# KiCad board UNO-128DA28.kicad_pcb
title: Produino UNO 4; date: 2023-08-20; rev: 1.0; note: AVR128DA28 Uno sized board.
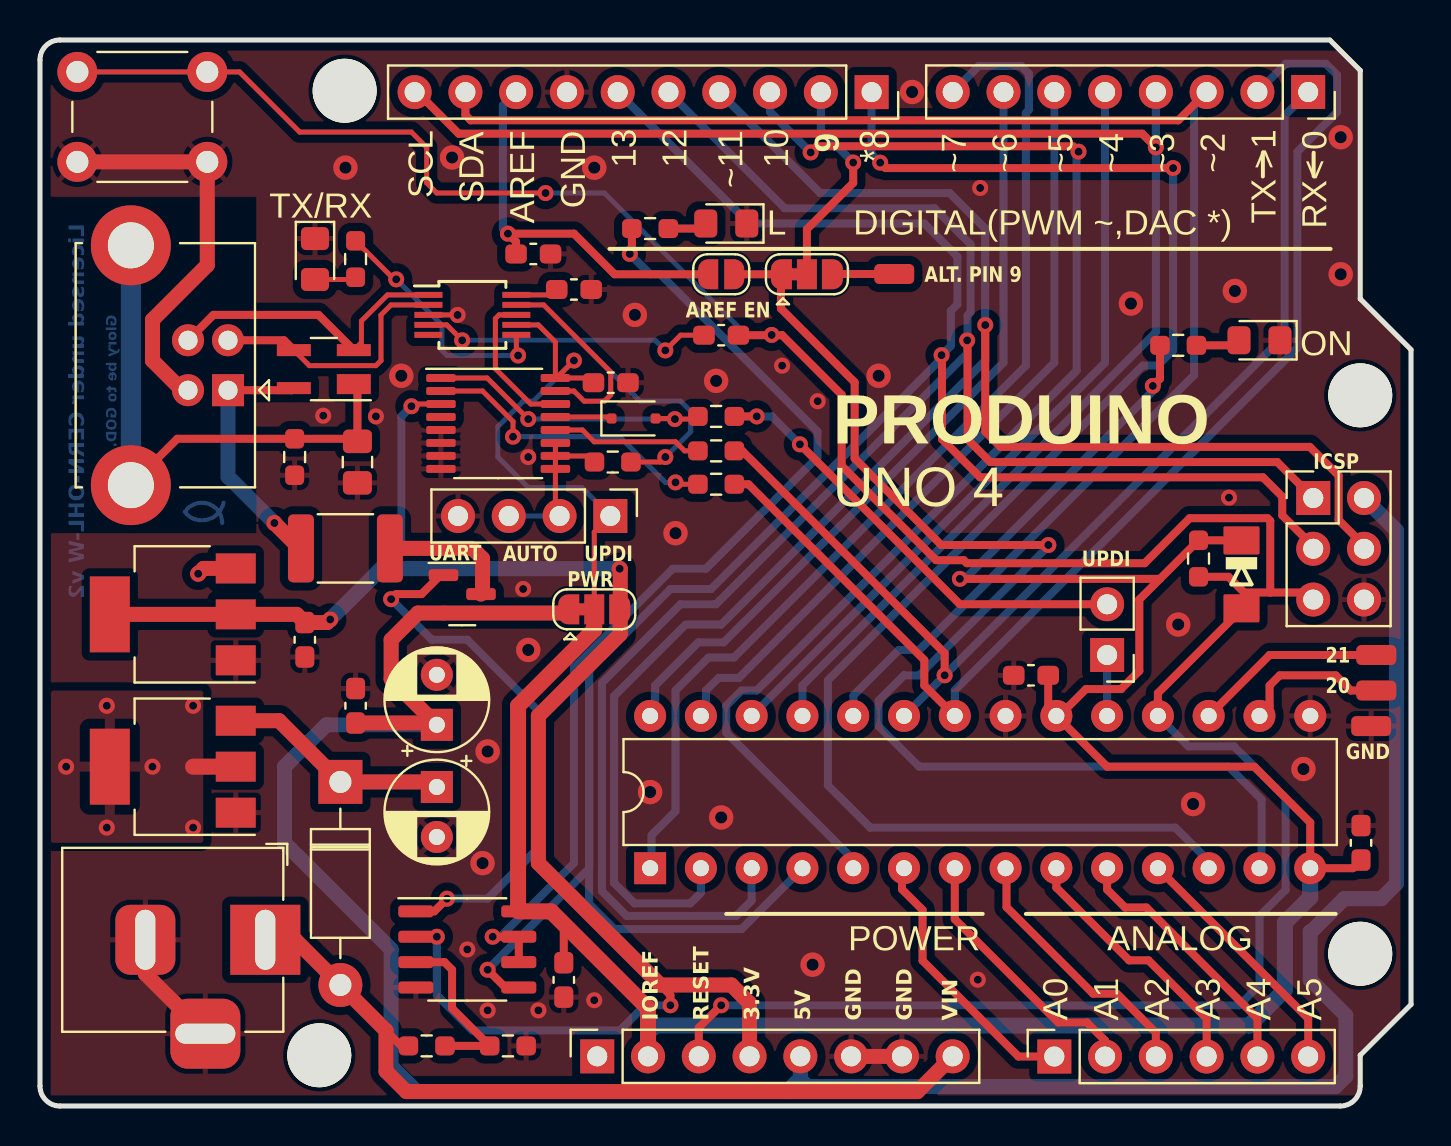
[diagram p0: board, top side]
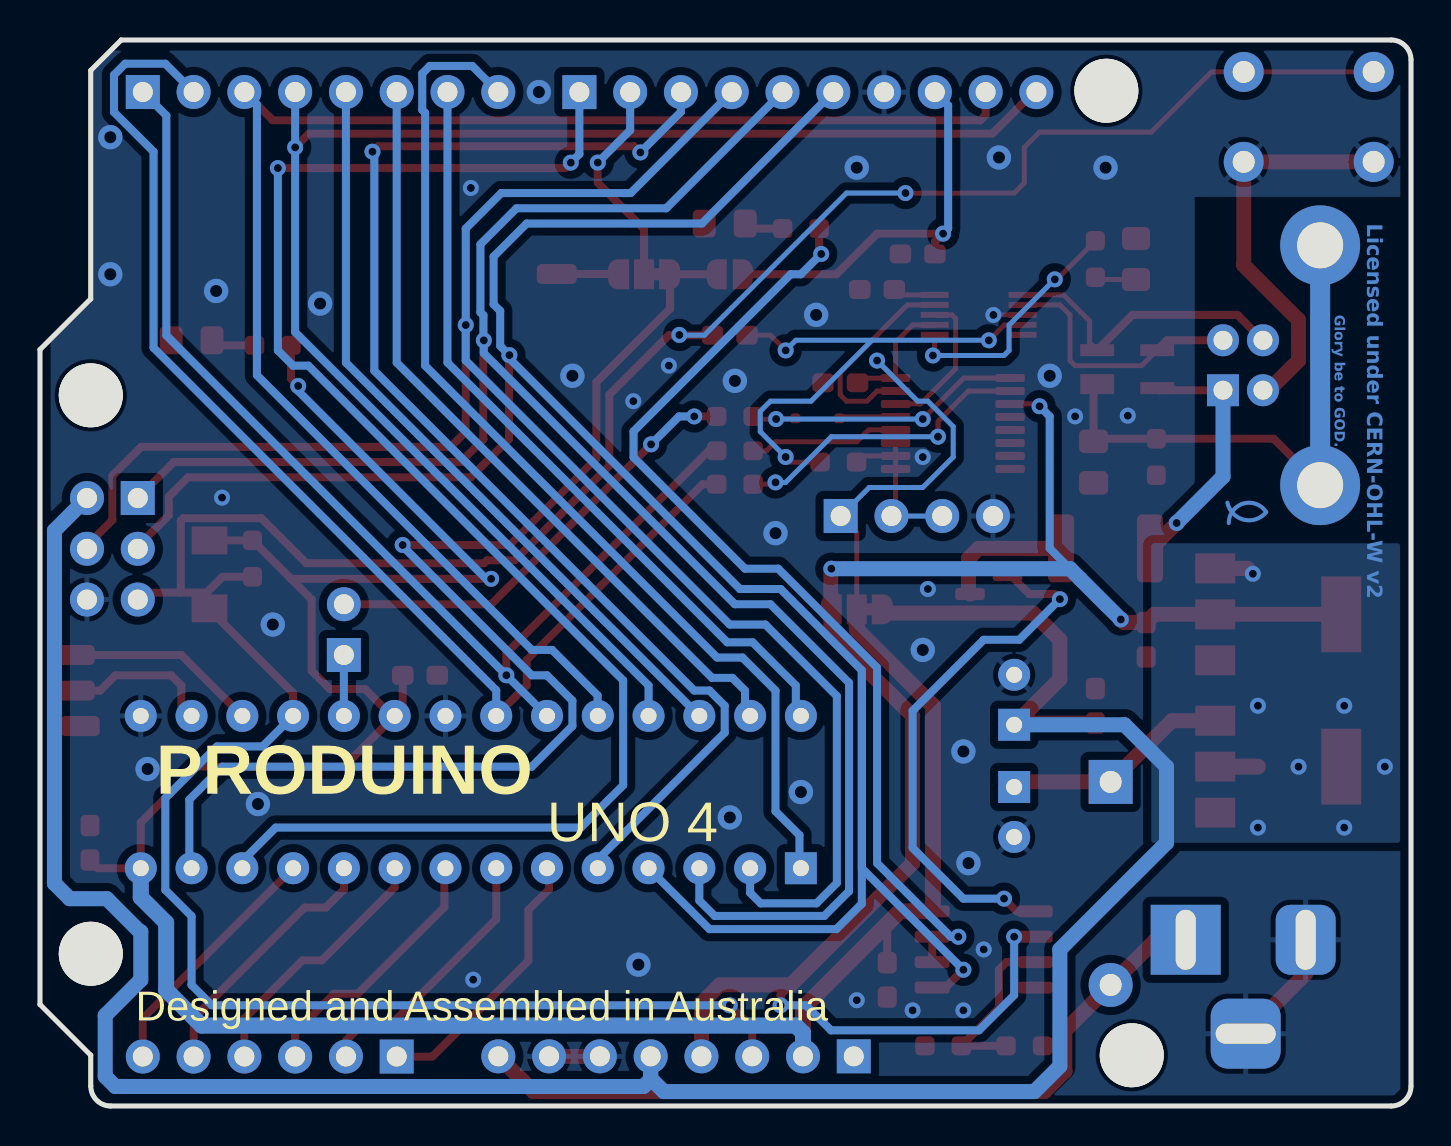
[diagram p1: board, bottom side, seen from below]

Outline 68.58 x 53.34 mm; copper layers: Top, Bottom. Coordinates in mm from the lower left corner of the outline.
Outline path: 0,52.34 arc(0.29,53.05) 1,53.34 64.52,53.34 66.04,51.82 66.04,40.39 68.58,37.85 68.58,5.08 66.04,2.54 66.04,1 arc(65.75,0.29) 65.04,0 1,0 arc(0.29,0.29) 0,1 0,52.34
Stack: Top 0.035mm / dielectric 1.51mm FR4 er 4.5 / Bottom 0.035mm

## Placement (name value [footprint] x y rotation side)
@HOLE0  -  [unnamed]  66.04 35.56 0 top
@HOLE1  -  [unnamed]  66.04 7.62 0 top
@HOLE2  -  [unnamed]  15.24 50.8 0 top
@HOLE3  -  [unnamed]  13.97 2.54 0 top
AD0  6x1F-H8.5  [PinSocket_1x06_P2.54mm_Vertical]  50.74 2.48 90 top
C1  4.7nF  [C_0805_2012Metric_Pad1.18x1.45mm_HandSolder]  15.88 32.22 270 top
C2  100nF  [C_0603_1608Metric_Pad1.08x0.95mm_HandSolder]  26.71 40.86 180 top
C3  100nF  [C_0603_1608Metric_Pad1.08x0.95mm_HandSolder]  26.2 6.31 270 top
C4  100nF  [C_0603_1608Metric_Pad1.08x0.95mm_HandSolder]  34.07 38.57 0 top
C7  100nF  [C_0603_1608Metric_Pad1.08x0.95mm_HandSolder]  66.08 13.17 270 top
C8  100nF  [C_0603_1608Metric_Pad1.08x0.95mm_HandSolder]  49.57 21.55 180 top
C9  47uF  [CP_Radial_D5.0mm_P2.50mm]  19.85 15.96 270 top
C10  47uF  [CP_Radial_D5.0mm_P2.50mm]  19.85 19.08 90 top
C11  100nF  [C_0603_1608Metric_Pad1.08x0.95mm_HandSolder]  13.25 23.33 270 top
C12  100nF  [C_0603_1608Metric_Pad1.08x0.95mm_HandSolder]  24.68 42.63 180 top
C13  100nF  [C_0603_1608Metric_Pad1.08x0.95mm_HandSolder]  15.79 20.03 90 top
C14  100nF  [C_0603_1608Metric_Pad1.08x0.95mm_HandSolder]  28.55 36.19 180 top
D1  PRTR5V0U2X,215  [SOT-143_Handsoldering]  14.2 36.87 180 top
D2  LED  [LED_0805_2012Metric_Pad1.15x1.40mm_HandSolder]  34.33 44.16 180 top
D3  LED  [LED_0805_2012Metric_Pad1.15x1.40mm_HandSolder]  13.75 42.38 270 top
D4  CD1206-S01575  [MINIMELF]  60.1 26.6 270 top
D5  1N4007  [D_DO-41_SOD81_P10.16mm_Horizontal]  15.02 16.22 270 top
D6  LED  [LED_0805_2012Metric_Pad1.15x1.40mm_HandSolder]  61 38.32 180 top
D8  BAT54J  [D_SOD-323F]  29.69 34.4 0 top
F1  MF-MSMF050-2 500mA  [Fuse_1812_4532Metric_Pad1.30x3.40mm_HandSolder]  15.28 27.9 180 top
ICSP0  3x2 M  [PinHeader_2x03_P2.54mm_Vertical]  63.69 30.42 0 top
IOH0  10x1F-H8.5  [PinSocket_1x10_P2.54mm_Vertical]  41.6 50.73 270 top
IOL0  8x1F-H8.5  [PinSocket_1x08_P2.54mm_Vertical]  63.44 50.74 270 top
J1  -  [USB_B]  9.4 35.82 180 top
J2  Barrel_Jack_Switch  [BarrelJack]  11.27 8.32 0 top
J3  PF0  [SolderWirePad_1x01_SMD_1x2mm]  66.84 20.79 270 top
J4  PF1  [SolderWirePad_1x01_SMD_1x2mm]  66.84 22.57 270 top
J5  Alternate pin 8, connection  [SolderWirePad_1x01_SMD_1x2mm]  42.73 41.63 90 top
J6  MODE  [PinHeader_1x04_P2.54mm_Vertical]  28.53 29.52 270 top
J7  GND  [SolderWirePad_1x01_SMD_1x2mm]  66.59 19.01 90 top
J8  UPDI_SEL  [PinHeader_1x02_P2.54mm_Vertical]  53.38 22.57 180 top
JP1  +3.3/5 SELECTOR  [SolderJumper-3_P1.3mm_Bridged12_RoundedPad1.0x1.5mm]  27.72 24.85 0 top
JP2  Pin9 Source  [SolderJumper-3_P1.3mm_Bridged12_RoundedPad1.0x1.5mm]  38.36 41.62 0 top
JP5  AREF Selector  [SolderJumper-2_P1.3mm_Open_RoundedPad1.0x1.5mm]  34.07 41.62 0 top
POWER0  8x1F-H8.5  [PinSocket_1x08_P2.54mm_Vertical]  27.87 2.49 90 top
Q1  FDN340P  [SOT-23]  21.12 25.62 0 top
R1  1K  [R_0603_1608Metric_Pad0.98x0.95mm_HandSolder]  19.34 3.01 0 top
R2  1K  [R_0603_1608Metric_Pad0.98x0.95mm_HandSolder]  23.41 3.01 0 top
R3  1M  [R_0603_1608Metric_Pad0.98x0.95mm_HandSolder]  12.74 32.47 270 top
R4  1K  [R_0603_1608Metric_Pad0.98x0.95mm_HandSolder]  30.52 43.9 0 top
R5  1K  [R_0603_1608Metric_Pad0.98x0.95mm_HandSolder]  15.79 42.38 270 top
R6  10K  [R_0603_1608Metric_Pad0.98x0.95mm_HandSolder]  57.95 27.39 270 top
R7  1K  [R_0603_1608Metric_Pad0.98x0.95mm_HandSolder]  33.82 31.11 180 top
R8  1K  [R_0603_1608Metric_Pad0.98x0.95mm_HandSolder]  33.82 32.78 0 top
R9  1K  [R_0603_1608Metric_Pad0.98x0.95mm_HandSolder]  56.93 38.06 0 top
R11  470R  [R_0603_1608Metric_Pad0.98x0.95mm_HandSolder]  33.82 34.51 180 top
R12  47K  [R_0603_1608Metric_Pad0.98x0.95mm_HandSolder]  28.65 32.22 180 top
SW1  Reset  [SW_PUSH_6mm]  1.87 51.74 0 top
U1  LMV358  [SO-8_3.9x4.9mm_P1.27mm]  21.37 7.84 0 top
U2  CH340E  [MSOP-10_3x3mm_P0.5mm]  21.63 39.59 0 top
U3  AVR128DA28x-xSP  [DIP-28_W7.62mm]  30.52 11.9 90 top
U4  AMS1117-5.0  [SOT-223-3_TabPin2]  6.64 16.98 180 top
U5  AMS1117-3.3  [SOT-223-3_TabPin2]  6.64 24.6 180 top
U7  CD4053B  [TSSOP-16_4.4x5mm_P0.65mm]  22.92 34.15 0 top

## Library data of the parts
C1-C4 C7 C8 C11-C14 = -: Description: Unpolarized capacitor, small symbol
C9 C10 = -: Description: Polarized capacitor
D1 = -: Description: TVS ARRAY 4LIN.8kV 1pF SOT143B; CODE ARDUINO: 2209; MANUFACTURER: Nexperia
D2 D3 D6 = -: Description: Light emitting diode
D5 = -: Description: 1000V 1A General Purpose Rectifier Diode, DO-41; Sim.Device: D; Sim.Pins: 1=K 2=A
D8 = -: Description: 30V 200mA Schottky diode, SOD-323F
J1 = -: Description: USB Type B connector
J2 = -: Description: DC Barrel Jack with an internal switch
J3-J5 J7 = -: Description: Generic connector, single row, 01x01, script generated (kicad-library-utils/schlib/autogen/connector/)
J6 = -: Description: Generic connector, single row, 01x04, script generated (kicad-library-utils/schlib/autogen/connector/)
J8 = -: Description: Generic connector, single row, 01x02, script generated (kicad-library-utils/schlib/autogen/connector/)
JP1 = -: Description: Jumper, 3-pole, both open
JP2 = -: Description: Jumper, 3-pole, pins 1+2 closed/bridged
JP5 = -: Description: Jumper, 2-pole, open
Q1 = -: Description: 2A Id, 20V Vds, P-Channel MOSFET, 70mOhm Ron, SOT-23
R1-R9 R11 R12 = -: Description: Resistor
SW1 = -: Description: Push button switch, generic, symbol, four pins
U1 = -: Description: Dual Low-Voltage Rail-to-Rail Output Operational Amplifiers, SOIC-8/SSOP-8
U2 = -: Description: USB serial converter, UART, MSOP-10
U3 = -: Description: 24MHz, 128kB Flash, 16kB SRAM, EEPROM with Touch Sensing, SPDIP-28
U4 = -: Description: 1A Low Dropout regulator, positive, 5.0V fixed output, SOT-223
U5 = -: Description: 1A Low Dropout regulator, positive, 3.3V fixed output, SOT-223
U7 = -: Description: CMOS triple 2-channel analog multiplexer/demultiplexer, TSSOP-16/DIP-16/SOIC-16

## Footprints (pads in the part's own frame, mm; a bottom-side part is the same pattern mirrored in y, then rotated)
BarrelJack
  rect 3.5x3.5 hole 1x3: 1(0,0)
  rrect 3x3.5 hole 1x3: 2(-6,0)
  rrect 3.5x3.5 hole 3x1: 3(-3,-4.7)
C_0603_1608Metric_Pad1.08x0.95mm_HandSolder
  rrect 1.075x0.95 smd: 1(-0.863,0) 2(0.863,0)
C_0805_2012Metric_Pad1.18x1.45mm_HandSolder
  rrect 1.175x1.45 smd: 1(-1.038,0) 2(1.038,0)
CP_Radial_D5.0mm_P2.50mm
  rect 1.6x1.6 hole 0.8: 1(0,0)
  round 1.6 hole 0.8: 2(2.5,0)
D_DO-41_SOD81_P10.16mm_Horizontal
  rect 2.2x2.2 hole 1.1: 1(0,0)
  oval 2.2x2.2 hole 1.1: 2(10.16,0)
D_SOD-323F
  rrect 0.5x0.5 smd: 1(-1.1,0) 2(1.1,0)
DIP-28_W7.62mm
  rect 1.6x1.6 hole 0.8: 1(0,0)
  oval 1.6x1.6 hole 0.8: 2(0,-2.54) 3(0,-5.08) 4(0,-7.62) 5(0,-10.16) 6(0,-12.7) 7(0,-15.24) 8(0,-17.78) 9(0,-20.32) 10(0,-22.86) 11(0,-25.4) 12(0,-27.94) 13(0,-30.48) 14(0,-33.02) 15(7.62,-33.02) 16(7.62,-30.48) 17(7.62,-27.94) 18(7.62,-25.4) 19(7.62,-22.86) 20(7.62,-20.32) 21(7.62,-17.78) 22(7.62,-15.24) 23(7.62,-12.7) 24(7.62,-10.16) 25(7.62,-7.62) 26(7.62,-5.08) 27(7.62,-2.54) 28(7.62,0)
Fuse_1812_4532Metric_Pad1.30x3.40mm_HandSolder
  rrect 1.3x3.4 smd: 1(-2.225,0) 2(2.225,0)
LED_0805_2012Metric_Pad1.15x1.40mm_HandSolder
  rrect 1.15x1.4 smd: 1(-1.025,0) 2(1.025,0)
MINIMELF
  rrect 1.4x1.8 smd: A(1.7,0) C(-1.7,0)
MSOP-10_3x3mm_P0.5mm
  rect 1.4x0.3 smd: 1(-2.2,1) 2(-2.2,0.5) 3(-2.2,0) 4(-2.2,-0.5) 5(-2.2,-1) 6(2.2,-1) 7(2.2,-0.5) 8(2.2,0) 9(2.2,0.5) 10(2.2,1)
PinHeader_1x02_P2.54mm_Vertical
  rect 1.7x1.7 hole 1: 1(0,0)
  oval 1.7x1.7 hole 1: 2(0,-2.54)
PinHeader_1x04_P2.54mm_Vertical
  rect 1.7x1.7 hole 1: 1(0,0)
  oval 1.7x1.7 hole 1: 2(0,-2.54) 3(0,-5.08) 4(0,-7.62)
PinHeader_2x03_P2.54mm_Vertical
  rect 1.7x1.7 hole 1: 1(0,0)
  oval 1.7x1.7 hole 1: 2(2.54,0) 3(0,-2.54) 4(2.54,-2.54) 5(0,-5.08) 6(2.54,-5.08)
PinSocket_1x06_P2.54mm_Vertical
  rect 1.7x1.7 hole 1: 1(0,0)
  oval 1.7x1.7 hole 1: 2(0,-2.54) 3(0,-5.08) 4(0,-7.62) 5(0,-10.16) 6(0,-12.7)
PinSocket_1x08_P2.54mm_Vertical
  rect 1.7x1.7 hole 1: 1(0,0)
  oval 1.7x1.7 hole 1: 2(0,-2.54) 3(0,-5.08) 4(0,-7.62) 5(0,-10.16) 6(0,-12.7) 7(0,-15.24) 8(0,-17.78)
PinSocket_1x10_P2.54mm_Vertical
  rect 1.7x1.7 hole 1: 1(0,0)
  oval 1.7x1.7 hole 1: 2(0,-2.54) 3(0,-5.08) 4(0,-7.62) 5(0,-10.16) 6(0,-12.7) 7(0,-15.24) 8(0,-17.78) 9(0,-20.32) 10(0,-22.86)
R_0603_1608Metric_Pad0.98x0.95mm_HandSolder
  rrect 0.975x0.95 smd: 1(-0.912,0) 2(0.912,0)
SO-8_3.9x4.9mm_P1.27mm
  rrect 1.75x0.6 smd: 1(-2.575,1.905) 2(-2.575,0.635) 3(-2.575,-0.635) 4(-2.575,-1.905) 5(2.575,-1.905) 6(2.575,-0.635) 7(2.575,0.635) 8(2.575,1.905)
SolderJumper-2_P1.3mm_Open_RoundedPad1.0x1.5mm
  custom 1x1.5 smd: 1(-0.65,0) 2(0.65,0)
SolderJumper-3_P1.3mm_Bridged12_RoundedPad1.0x1.5mm
  custom 1.05x1.5 smd: 1(-1.3,0) 3(1.3,0)
  rect 1x1.5 smd: 2(0,0)
SolderWirePad_1x01_SMD_1x2mm
  rrect 1x2 smd: 1(0,0)
SOT-23
  rrect 1.475x0.6 smd: 1(-0.938,0.95) 2(-0.938,-0.95) 3(0.938,0)
SOT-143_Handsoldering
  rect 1.7x1 smd: 1(-1.5,0.75)
  rect 1.7x0.6 smd: 2(-1.5,-0.95) 3(1.5,-0.95) 4(1.5,0.95)
SOT-223-3_TabPin2
  rect 2x1.5 smd: 1(-3.15,2.3) 2(-3.15,0) 3(-3.15,-2.3)
  rect 2x3.8 smd: 2(3.15,0)
SW_PUSH_6mm
  round 2 hole 1.1: 1(0,0) 1(6.5,0) 2(0,-4.5) 2(6.5,-4.5)
TSSOP-16_4.4x5mm_P0.65mm
  rrect 1.475x0.4 smd: 1(-2.862,2.275) 2(-2.862,1.625) 3(-2.862,0.975) 4(-2.862,0.325) 5(-2.862,-0.325) 6(-2.862,-0.975) 7(-2.862,-1.625) 8(-2.862,-2.275) 9(2.862,-2.275) 10(2.862,-1.625) 11(2.862,-0.975) 12(2.862,-0.325) 13(2.862,0.325) 14(2.862,0.975) 15(2.862,1.625) 16(2.862,2.275)
unnamed
  round 3.2 hole 3.2 unplated: (0,0)
USB_B
  rect 1.6x1.6 hole 0.95: 1(0,0)
  round 1.6 hole 0.95: 2(0,-2.5) 3(2,-2.5) 4(2,0)
  round 4 hole 2.3: 5(4.86,4.75) 5(4.86,-7.25)

## Nets
+3.3V: C11.1 JP1.3 POWER0.4 U1.2 U5.2 U7.3
+5V: C10.1 C13.1 ICSP0.2 JP1.1 POWER0.5 Q1.2 U4.2 U5.3
VCC: C3.1 C7.2 C8.1 C14.2 D4.C J6.1 JP1.2 POWER0.2 R6.1 R9.1 U1.8 U2.7 U3.14 U3.20 U7.16
VIN: D5.2 J2.1 POWER0.8 R1.1
/RESET: C4.2 D4.A ICSP0.5 POWER0.3 R6.2 SW1.1 U3.18
/SCL: IOH0.10 IOL0.4 U3.25
/SDA: IOH0.9 IOL0.3 U3.24
AREF: JP2.1 JP5.2 U3.13
Earth: C1.2 C2.1 C3.2 C7.1 C8.2 C9.2 C10.2 C11.2 C12.1 C13.2 C14.1 D2.1 D3.1 D6.1 ICSP0.6 IOH0.7 J1.4 J2.2 J2.3 J6.4 J7.1 POWER0.6 POWER0.7 R2.2 R3.2 SW1.2 U1.4 U2.3 U3.15 U3.21 U4.1 U5.1 U7.5 U7.6 U7.7 U7.8
MISO: ICSP0.1 IOH0.5 U3.3
MOSI: ICSP0.4 IOH0.4 U3.2
RX: R7.2 U7.2
SCK: ICSP0.3 IOH0.6 U1.5 U3.4
TX: R8.1 U7.12
UPDI: J8.2 R11.1
UPDI_C: J8.1 U3.19
VUSB: F1.1 Q1.3
Net-(D2-A): D2.2 R4.2
Net-(D3-A): D3.2 R5.2
Net-(D5-K): C9.1 D5.1 U4.3
Net-(D6-A): D6.2 R9.2
Net-(D8-A): D8.2 R11.2 U7.1
Net-(D8-K): D8.1 U7.13
Net-(J1-D+): D1.2 J1.3 U2.1
Net-(J1-D-): D1.3 J1.2 U2.2
Net-(J1-Shield): C1.1 D1.1 J1.5 R3.1
Net-(J1-VBUS): D1.4 F1.2 J1.1
Net-(J3-Pin_1): J3.1 U3.16
Net-(J4-Pin_1): J4.1 U3.17
Net-(J5-Pin_1): J5.1 JP2.3
Net-(J6-Pin_2): J6.2 J6.3 R12.2 U7.9 U7.10 U7.11
Net-(JP2-C): IOH0.2 JP2.2
Net-(JP5-A): C12.2 IOH0.8 JP5.1
Net-(Q1-G): Q1.1 U1.1
Net-(U1A-+): R1.2 R2.1 U1.3
Net-(U1B--): R4.1 U1.6 U1.7
Net-(U2-RXD): U2.9 U7.15
Net-(U2-TNOW): R5.1 U2.6
Net-(U2-TXD): U2.8 U7.14
Net-(U2-V3): C2.2 U2.10
Net-(U2-~{RTS}): C4.1 R12.1 U2.4
Net-(U3-PA0): IOL0.2 R7.1 U3.22
Net-(U3-PA1): IOL0.1 R8.2 U3.23
Net-(U3-PA4): IOL0.5 U3.26
Net-(U3-PA5): IOL0.6 U3.27
Net-(U3-PA6): IOL0.7 U3.28
Net-(U3-PA7): IOL0.8 U3.1
Net-(U3-PC3): IOH0.3 U3.5
Net-(U3-PD0): AD0.1 U3.6
Net-(U3-PD1): AD0.2 U3.7
Net-(U3-PD2): AD0.3 U3.8
Net-(U3-PD3): AD0.4 U3.9
Net-(U3-PD4): AD0.5 U3.10
Net-(U3-PD5): AD0.6 U3.11
Net-(U3-PD6): IOH0.1 U3.12

Pads without a net: POWER0 1; U2 5; U7 4

## Via types
v1: diameter 0.8, hole 0.4, Top to Bottom, 61 vias
v2: diameter 1.219, hole 0.61, Top to Bottom, 22 vias

## Routing (per net, layer and track width the routed paths; a pad name or vN(x,y) marks a point on that pad's centre or on a via; arc(x,y) is an arc through that point)
+3.3V: length 88.5
  Top w0.25: v1(18.58,35.01) 18.69,35.13 U7.3
  Top w0.4: 31.03,6.06 31.53,5.55 v1(31.53,5.04) ; v1(19.85,8.47) U1.2
  Top w0.75: v1(14.52,24.35) 14.36,24.19 C11.1 12.84,24.6 U5.2 U5.2 ; POWER0.4 35.49,5.15 34.58,6.06 31.03,6.06 24.93,12.15 24.93,19.52 29.02,23.61 29.02,26.86 v1(28.99,26.89)
  Bottom w0.4: v1(19.85,8.47) 19.85,5.55 21.61,3.79 29.01,3.79 30.26,5.04 v1(31.53,5.04) ; 16.55,26.38 18.07,27.9 18.07,34.51 v1(18.58,35.01)
  Bottom w0.75: v1(28.99,26.89) 17.06,26.89 v1(14.52,24.35)
+5V: length 133
  Top w0.75: U5.3 8.18,26.9 v1(7.91,26.63) ; JP1.1 26.24,24.67 Q1.2 18.9,24.67 17.56,23.33 17.56,21.36 C10.1 19.76,19.16 C13.1
  Top w0.8: U4.2 7.66,16.98
  Bottom w0.75: C10.1 14.33,19.08 12.23,16.98 12.23,13.17 17.56,7.84 17.56,1.99 18.83,0.72 37.38,0.72 38.03,1.38 POWER0.5 38.03,1.34 38.39,0.98 64.81,0.98 65.32,1.49 65.32,4.53 63.54,6.31 63.54,8.72 63.58,8.72 65.24,10.38 67.09,10.38 67.86,11.14 67.86,28.79 ICSP0.2
  vias: v1(1.31,16.98) v1(3.34,20.03) v1(3.34,13.93) v1(5.63,16.98) v1(7.66,20.03) v1(7.66,13.93)
VCC: length 160
  Top w0.25: U2.7 24.92,39.09 25.78,38.23 U7.16 ; U7.16 25.84,36.43 v1(26.71,37.3) ; U7.16 27.45,36.43 C14.2 ; J6.1 27.72,28.72 27.72,25.11
  Top w0.4: D4.C 60.09,28.31 R6.1 56.02,26.38 ; U3.20 50.43,19.93 C8.1 ; U3.20 50.98,19.52 52.32,20.86 54.07,20.86 54.99,21.78 54.99,25.34 56.02,26.38 ; U3.20 53.38,16.98 60.74,16.98 63.54,14.19 U3.14 65.67,11.9 C7.2 ; v1(55.66,36.03) 56.02,36.39 R9.1 ; 25.57,9.74 26.2,9.11 C3.1 ; v1(46.01,26.38) 56.02,26.38
  Top w0.8: POWER0.2 30.41,4.89 25.57,9.74 U1.8 23.91,9.78 23.91,20.03 27.72,23.84 27.72,25.11
  Bottom w0.25: v1(26.71,37.3) 24.68,35.27 24.17,35.27 22.9,34 22.9,32.47 24.42,30.95 27.1,30.95 J6.1
  Bottom w0.4: v1(46.01,26.38) 46.27,26.38 55.66,35.78 v1(55.66,36.03)
  Bottom w0.8: U3.14 63.54,10.44 62.27,9.17 62.27,5.8 60.49,4.03 30.77,4.03 30.41,3.67 POWER0.2
VIN: length 44.1
  Top w0.4: D5.2 18.07,3.01 R1.1
  Top w0.75: J2.1 12.76,8.32 D5.2 17.31,3.77 17.31,1.74 18.33,0.72 43.89,0.72 POWER0.8
/RESET: length 141.7
  Top w0.25: v1(25.29,45.68) 19.85,45.68 19.34,46.19 19.34,47.97 18.58,48.73 12.99,48.73 9.98,51.74 SW1.1 SW1.1
  Top w0.4: ICSP0.5 63.34,25.69 61.54,25.69 ; R6.2 59.45,26.48 60.24,25.69 ; 61.54,25.69 60.24,25.69 ; 61.54,25.69 61.54,29.28 61.41,29.41 57.51,29.41 55.26,27.16 46.36,27.16 46.21,27.31 44.82,27.31 40.1,32.04 40.1,35.59 37.12,38.57 C4.2 ; 60.24,25.69 60.24,24.98 55.92,20.66 U3.18 ; POWER0.3 32.95,3.92 v1(34.07,5.04)
  Bottom w0.25: v1(25.29,45.68) 28.23,45.68 35.34,38.57 36.59,38.57
  Bottom w0.4: U3.18 57.44,18 59.72,18 62.31,15.41 62.31,10.81 61,9.5 61,6.06 59.98,5.04 v1(34.07,5.04)
  vias: v1(36.6,38.58)
/SCL: length 76.8
  Top w0.4: v1(55.82,47.97) 55.13,48.65 20.94,48.65 18.86,50.73 IOH0.10
  Bottom w0.4: U3.25 38.14,21.04 55.82,38.72 v1(55.82,47.97) IOL0.4
/SDA: length 78.1
  Top w0.4: IOH0.9 21.28,49.59 21.54,49.32 56.94,49.32 IOL0.3
  Bottom w0.4: U3.24 40.69,19.53 40.69,20.55 42.96,22.82 43.98,22.82 57.73,36.57 57.73,50.11 IOL0.3
AREF: length 61.6
  Top w0.4: JP5.2 JP2.1 37.06,39.9 40.75,36.21 40.75,32.4 45.08,28.07 v1(50.44,28.07)
  Bottom w0.4: U3.13 61.11,12.01 61.11,15.33 59.46,16.98 43.98,16.98 41.95,19.01 41.95,20.28 43.22,21.55 43.98,21.55 50.39,27.96
Earth: length 29.9
  Top w0.25: U2.3 20.88,39.59
  Top w0.75: J2.3 5.27,6.62 J2.2 ; J1.4 7.11,35.82 5.63,37.3 5.63,39.33 8.37,42.07 SW1.2 SW1.2 ; POWER0.7 POWER0.6
  vias: v1(14.17,34.54) v1(16.8,34.51) v1(20.89,39.58) v1(21.37,7.84) v1(22.39,4.79) v1(24.17,25.87) v1(24.42,32.47) v1(24.93,4.79) v1(27.72,5.3) v1(37.12,37.05) v1(38.9,35.27) v1(46.91,6.32) v1(47.03,45.94) v1(59.47,30.44) v2(15.28,46.95) v2(18.07,36.54) v2(20.61,47.46) v2(22.14,12.15) v2(22.39,17.74) v2(24.42,22.82) v2(27.72,46.95) v2(29.76,39.59) v2(30.52,15.71) v2(31.79,28.66) v2(33.82,36.28) v2(34.07,14.44) v2(38.65,7.07) v2(41.95,36.54) v2(43.62,50.74) v2(54.57,40.15) v2(56.93,24.09) v2(57.68,15.11) v2(59.77,40.78) v2(63.2,16.86) v2(65.06,48.48) v2(65.06,41.62)
MISO: length 92.7
  Top w0.4: ICSP0.1 61.89,32.22 47.54,32.22 46.4,33.36 46.4,38.29 v1(46.38,38.31)
  Bottom w0.4: U3.3 35.6,10.28 34.83,9.51 29.35,9.51 28.11,10.75 28.11,21.17 32.04,25.11 33.82,25.11 46.38,37.67 v1(46.38,38.31) 46.4,38.33 46.4,39.56 46.55,39.71 46.55,43.11 44.74,44.92 37.25,44.92 IOH0.5
MOSI: length 91.8
  Top w0.4: 66.23,28.05 64.96,29.32 64.96,31.54 63.52,32.98 48.04,32.98 47.28,33.74 v1(47.28,39.08)
  Bottom w0.4: IOH0.4 39.03,45.68 45.5,45.68 47.28,43.9 v1(47.28,39.08) 47.28,37.3 34.07,24.09 32.3,24.09 28.72,20.51 28.72,11.16 29.74,10.14 32.53,10.14 33.06,10.67 U3.2
RX: length 15.2
  Top w0.25: U7.2 22.14,35.78 23.66,34.25 v1(23.66,33.49) ; v1(31.79,31.2) 31.88,31.11 R7.2
  Bottom w0.25: v1(23.66,33.49) 28.99,33.49 31.28,31.2 v1(31.79,31.2)
SCK: length 118.7
  Top w0.4: U1.5 23.28,5.93 v1(22.39,6.82) ; v1(45.1,37.57) 45.12,37.55 45.12,33.37 47.03,31.46 61.17,31.46 62.14,30.49 62.14,29.56 63.69,28.01 ICSP0.3
  Bottom w0.4: U3.4 35.09,8.85 28.74,8.85 27.47,10.12 27.47,21.81 ; v1(22.39,6.82) 27.47,11.9 27.47,21.81 ; IOH0.6 35.47,44.16 44.23,44.16 45.89,42.5 45.89,40.11 45.56,39.78 45.56,38.03 v1(45.1,37.57) 45.1,37.4 33.57,25.87 31.53,25.87 27.47,21.81
TX: length 7.6
  Top w0.25: R8.1 32.24,32.78 31.79,33.24 27.72,33.24 27.13,33.83 U7.12
UPDI: length 22.5
  Top w0.4: v1(35.85,34.51) R11.1 ; v1(38.01,33.11) 46.01,25.11 J8.2
  Bottom w0.4: v1(38.01,33.11) 36.61,34.51 v1(35.85,34.51)
UPDI_C: length 3
  Bottom w0.4: J8.1 U3.19
VUSB: length 6.7
  Top w0.75: Q1.3 22.14,25.69 22.14,27.39 21.63,27.9 F1.1
Net-(D2-A): length 2
  Top w0.4: R4.2 33.05,43.9 33.3,44.16
Net-(D3-A): length 2.1
  Top w0.25: 13.75,41.35 15.67,41.35 R5.2
Net-(D5-K): length 11.4
  Top w0.75: C9.1 19.6,16.22 D5.1 11.96,19.28 U4.3
Net-(D6-A): length 2.2
  Top w0.4: R9.2 59.72,38.06 D6.2
Net-(D8-A): length 14.7
  Top w0.25: U7.1 22.37,36.43 v1(24.42,34.37) ; D8.2 31.73,34.4 v1(31.76,34.37) 32.93,34.37
  Bottom w0.25: v1(24.42,34.37) v1(31.76,34.37)
Net-(D8-K): length 2.8
  Top w0.25: U7.13 28.52,34.48 D8.1
Net-(J1-D+): length 15.1
  Top w0.25: D1.2 16.08,38.2 16.08,39.28 17.38,40.59 U2.1
  Top w0.4: J1.3 8.67,39.59 13.93,39.59 D1.2
Net-(J1-D-): length 13.1
  Top w0.25: D1.3 13.47,37.05 16.8,37.05 17.06,37.3 17.06,39.58 17.56,40.09 U2.2
  Top w0.4: D1.3 12.2,38.32 J1.2
Net-(J1-Shield): length 26.9
  Top w0.4: J1.5 6.87,33.39 R3.1 15.5,33.39 15.88,33.76 15.88,35.94 D1.1
  Bottom w1: J1.5 J1.5
Net-(J1-VBUS): length 12.8
  Top w0.4: J1.1 12.59,35.82 D1.4
  Top w0.75: F1.2 12.99,27.9 v1(11.72,29.17)
  Bottom w0.75: J1.1 9.4,31.49 v1(11.72,29.17)
Net-(J3-Pin_1): length 7.6
  Top w0.4: J3.1 65.57,20.79 64.81,21.55 62.01,21.55 61.51,21.04 61.51,20.03 U3.16
Net-(J4-Pin_1): length 9.6
  Top w0.4: J4.1 61.51,22.57 U3.17
Net-(J5-Pin_1): length 3.1
  Top w0.4: J5.1 39.68,41.63 JP2.3
Net-(J6-Pin_2): length 8.1
  Top w0.25: U7.11 U7.9 25.78,29.73 J6.2 ; U7.10 27.59,32.53
  Bottom w0.25: J6.3 J6.2
Net-(JP2-C): length 10.7
  Top w0.4: v1(40.68,47.21) 40.68,46.19 38.36,43.87 JP2.2
  Bottom w0.4: v1(40.68,47.21) 39.06,48.83 IOH0.2
Net-(JP5-A): length 19.5
  Top w0.4: C12.2 23.81,43.24 v1(23.41,43.65) 26.71,43.65 28.74,41.62 JP5.1
  Bottom w0.4: IOH0.8 23.15,50.07 23.15,43.9 v1(23.41,43.65)
Net-(Q1-G): length 27.1
  Top w0.4: U1.1 19.72,9.74 v1(20.36,10.38) ; v1(17.56,25.36) 17.82,25.62 19.09,25.62 20.04,26.57 Q1.1
  Bottom w0.4: v1(17.56,25.36) 19.6,23.33 21.37,23.33 24.93,19.77 24.93,12.92 22.39,10.38 v1(20.36,10.38)
Net-(U1A-+): length 8.8
  Top w0.4: R1.2 R2.1 20.61,4.89 20.61,6.82 20.23,7.2 18.8,7.2
Net-(U1B--): length 50.2
  Top w0.4: R4.1 29.61,42.74 v1(29.5,42.63) ; 23.95,7.2 U1.7 v1(22.64,8.47)
  Bottom w0.4: v1(29.5,42.63) 30.52,41.62 31.03,41.62 38.89,33.76 38.89,32.46 33.31,26.89 31.65,26.89 26.71,21.94 26.71,12.15 23.03,8.47 v1(22.64,8.47)
Net-(U2-RXD): length 10.4
  Top w0.25: U7.15 25.78,35.78 26.71,35.78 27.22,35.27 28.23,35.27 28.55,35.58 28.55,36.73 25.19,40.09 U2.9
Net-(U2-TNOW): length 12.3
  Top w0.25: R5.1 17.72,41.36 v1(17.82,41.36) ; v1(23.91,37.55) 23.83,37.64 U2.6
  Bottom w0.25: v1(23.91,37.55) 20.36,37.55 20.1,37.81 20.1,39.08 v1(17.82,41.36)
Net-(U2-TXD): length 7.4
  Top w0.25: U7.14 24.54,35.13 22.78,36.89 22.78,39.4 22.96,39.59 U2.8
Net-(U2-V3): length 2.1
  Top w0.25: C2.2 25.58,40.59 U2.10
Net-(U2-~{RTS}): length 26.3
  Top w0.25: v1(31.28,32.47) 31.03,32.22 R12.1 ; C4.1 32.04,38.57 v1(31.28,37.81) ; v1(21.12,38.31) 20.34,39.09 U2.4
  Bottom w0.25: 26.96,38.32 30.77,38.32 v1(31.28,37.81) ; 26.96,38.32 21.12,38.32 v1(21.12,38.31) ; 26.96,38.32 30.01,35.27 32.04,35.27 32.55,34.76 32.55,33.74 v1(31.28,32.47)
Net-(U3-PA0): length 61.4
  Top w0.4: U3.22 44.23,21.04 44.23,22.31 35.44,31.11 R7.1
  Bottom w0.4: IOL0.2 62.31,52.15 64.32,52.15 64.88,51.59 64.88,49.73 62.9,47.75 62.9,37.94 45.76,20.8 U3.22
Net-(U3-PA1): length 55.4
  Top w0.4: R8.2 35.13,32.78 45.25,22.66 v1(45.25,21.55)
  Bottom w0.4: IOL0.1 62.26,49.56 62.26,38.56 U3.23
Net-(U3-PA4): length 38.5
  Bottom w0.4: U3.26 53.28,37.2 IOL0.5
Net-(U3-PA5): length 39.1
  Bottom w0.4: IOL0.6 50.74,37.2 34.96,21.42 33.95,21.42 33.31,20.79 33.31,19.77 U3.27
Net-(U3-PA6): length 39.3
  Bottom w0.4: IOL0.7 48.2,37.2 34.2,23.2 32.93,23.2 30.77,21.04 30.77,19.77 U3.28
Net-(U3-PA7): length 52.9
  Bottom w0.4: IOL0.8 46.96,52.04 49.08,52.04 49.46,51.66 49.46,49.84 49.31,49.7 49.31,37.05 34.71,22.44 33.44,22.44 31.79,20.79 31.79,14.75 30.59,13.55 30.59,11.97 U3.1
Net-(U3-PC3): length 63.7
  Top w0.4: v1(51.95,47.75) 51.68,48.02 38.86,48.02 v1(38.55,47.71)
  Bottom w0.4: v1(51.95,47.75) 51.85,47.66 51.85,36.79 35.85,20.79 35.09,20.79 34.33,20.03 34.33,18.68 40.68,12.33 U3.5 ; v1(38.55,47.71) 36.52,49.74 IOH0.3
Net-(U3-PD0): length 13.7
  Top w0.4: AD0.1 48.94,2.48 44.15,7.27 44.15,9.81 43.12,10.84 43.12,11.8 U3.6
Net-(U3-PD1): length 13.4
  Top w0.4: U3.7 45.76,9.35 50.93,4.18 52.37,4.18 53.28,3.27 AD0.2
Net-(U3-PD2): length 13.2
  Top w0.4: AD0.3 55.82,3.67 53.87,5.62 52.68,5.62 48.35,9.95 48.35,11.85 U3.8
Net-(U3-PD3): length 13.1
  Top w0.4: AD0.4 58.36,4.38 55.45,7.29 54.48,7.29 50.84,10.93 U3.9
Net-(U3-PD4): length 13.2
  Top w0.4: AD0.5 60.9,4.38 55.35,9.93 54.28,9.93 53.38,10.83 U3.10
Net-(U3-PD5): length 12.5
  Top w0.4: AD0.6 63.44,4.38 U3.11
Net-(U3-PD6): length 77.9
  Top w0.4: v1(42.03,47.2) 42.3,46.93 v1(56.68,46.93)
  Bottom w0.4: v1(56.68,46.93) 56.68,37.81 55.92,37.05 55.16,37.05 39.41,21.3 39.41,16.05 41.53,13.93 56.79,13.93 58.46,12.26 U3.12 ; IOH0.1 41.6,47.63 v1(42.03,47.2)

## Copper pours and planes (outline as drawn; the poured copper is in the pictures)
+5V on Top: 0.55,20.79 8.17,20.79 8.17,13.17 0.55,13.17
+5V on Bottom: 0.55,28.16 12.99,28.16 12.99,13.17 0.55,13.17
Earth on Top: 68.05,0.53 0.53,0.53 0.55,28.66 10.82,28.66 10.82,45.49 0.53,45.49 0.53,52.81 68.05,52.81
Earth on Bottom: 68.05,52.49 68.05,0.53 0.85,0.53 0.53,0.85 0.53,28.68 10.82,28.68 10.82,45.49 0.53,45.49 0.53,52.81 67.73,52.81

## Text on the board
Bottom: Licensed under CERN-OHL-W v2 | Glory be to GOD.
B.Silkscreen: Designed and Assembled in Australia | UNO 4 | PRODUINO
User.Comments: Copyright Abel Huxtable(TheEccentricGenius) 2023. / This source describes Open Hardware and is licensed under the CERN-OHL-W v2 / You may redistribute and modify this documentation and make products / using it under the terms of the CERN-OHL-W v2 (https:/cern.ch/cern-ohl). / This documentation is distributed WITHOUT ANY EXPRESS OR IMPLIED / WARRANTY, INCLUDING OF MERCHANTABILITY, SATISFACTORY QUALITY / AND FITNESS FOR A PARTICULAR PURPOSE. Please see the CERN-OHL-W v2 / for applicable conditions. / Source location: https://github.com/TheEccentricGenius/UNO4_Board
F.Silkscreen: TX/RX | L | ON | POWER | DIGITAL(PWM ~,DAC *) | ANALOG | SCL | SDA | AREF | GND | 13 | 12 | ~11 | 10 | ~7 | ~6 | A0 | ~5 | A1 | ~4 | A2 | ~3 | A3 | ~2 | A4 | TX >1 | A5 | RX< 0 | 9 | *8 | UNO 4 | PRODUINO | UART | AUTO | PWR | UPDI | AREF EN | ALT. PIN 9 | ICSP | 21 | 20 | IOREF | RESET | 3.3V | 5V | VIN
